# KiCad board mainboard.kicad_pcb (continued)
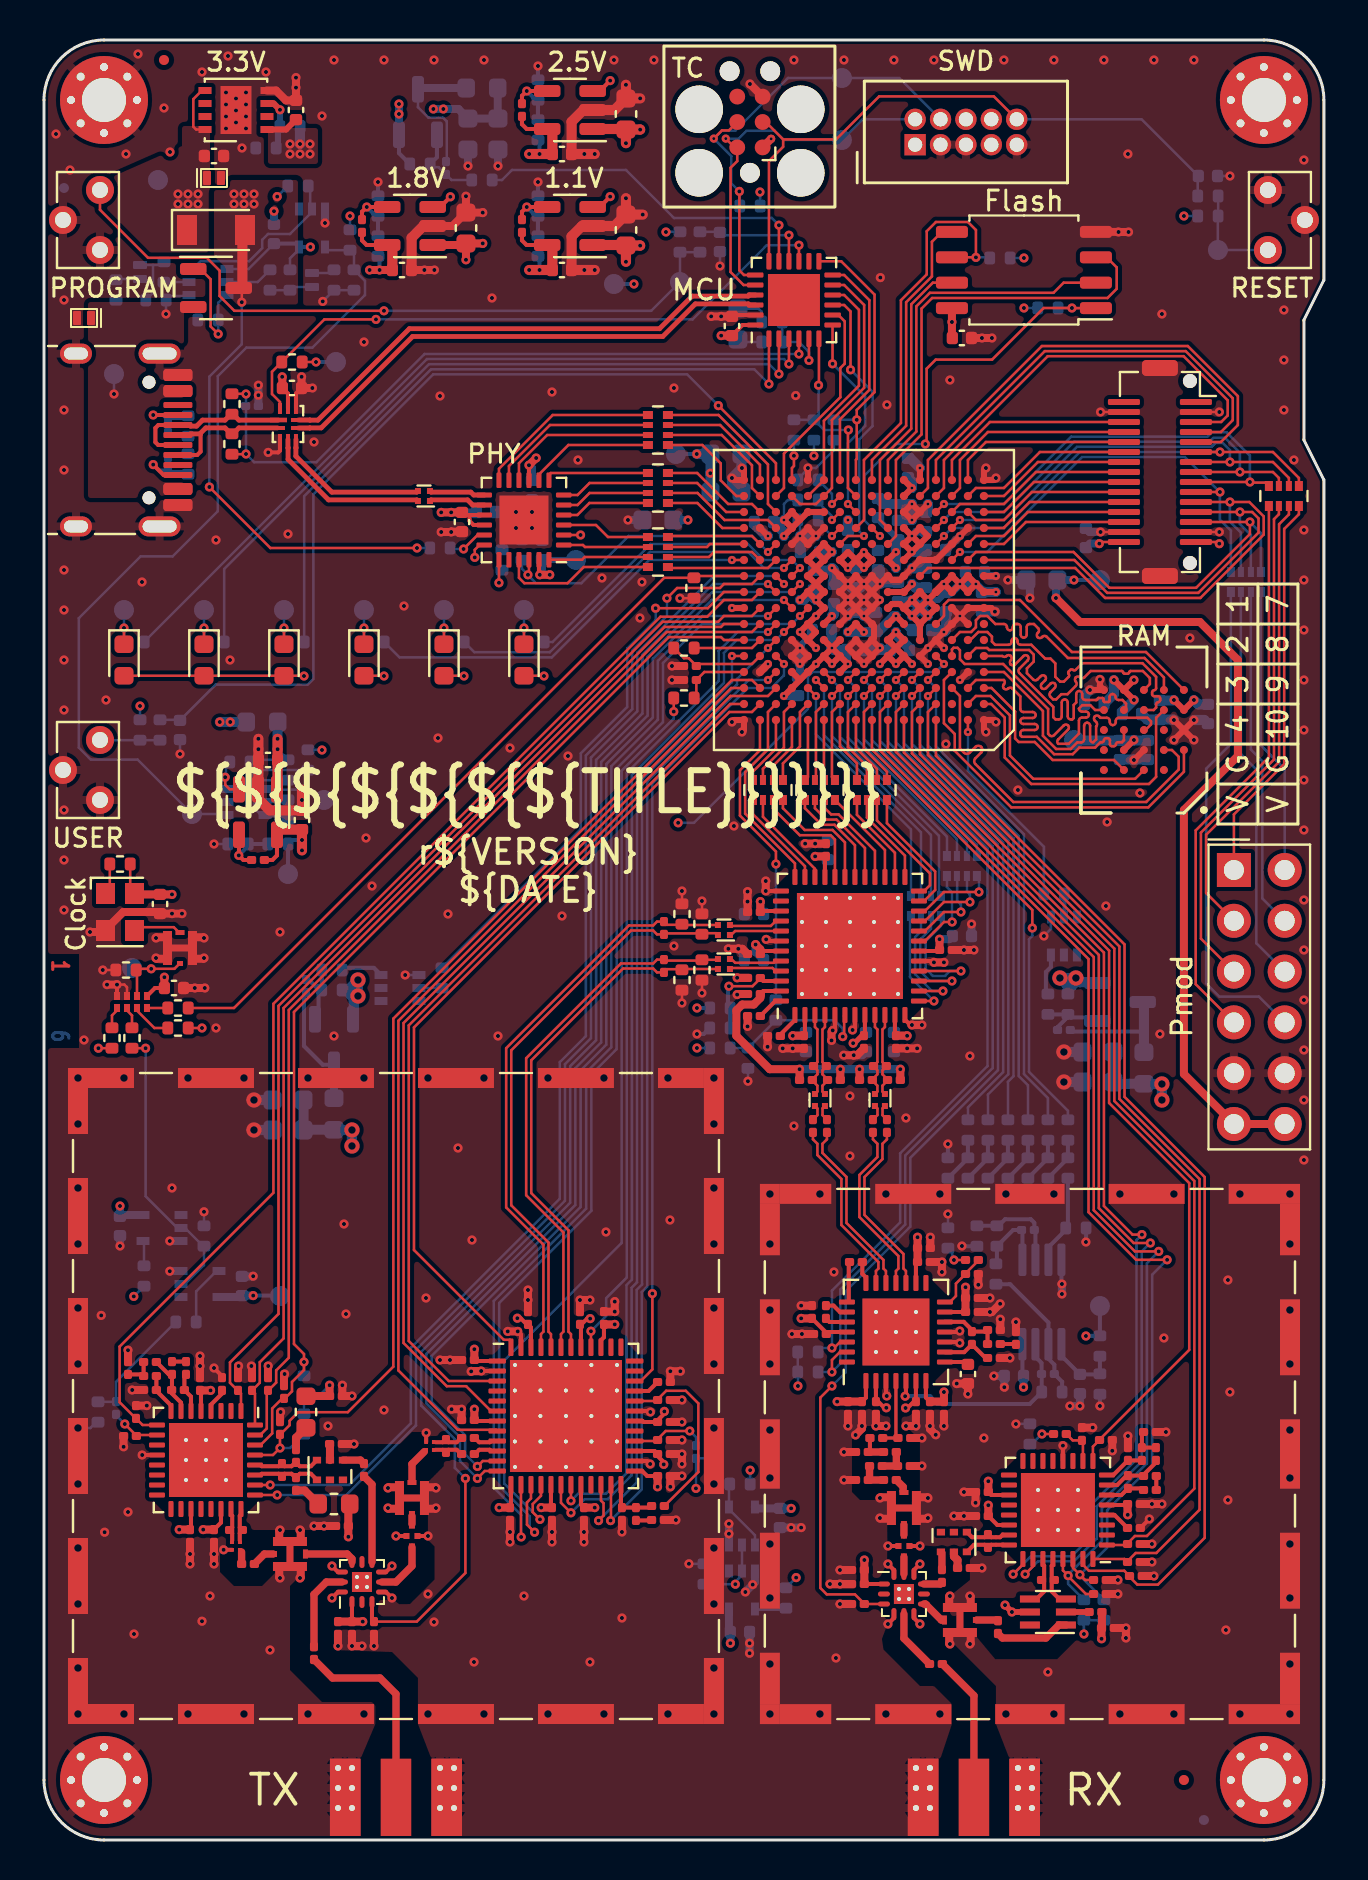
[diagram p0: board, top side]
## Routing (per net, layer and track width the routed paths; a pad name or vN(x,y) marks a point on that pad's centre or on a via; arc(x,y) is an arc through that point) (continued)
/FPGA Banks 2 and 3/TX_XCVR.SCLK: length 49.1
  Top w0.127: U1.E16 v2(34.4,59.2) ; U12.18 25.85,16.86 v1(26.35,16.36)
  Bottom w0.127: v1(26.35,16.36) 27.03,17.04 28.19,17.04 29.38,18.23 29.38,27.61 29.65,27.88 29.65,53.15 34.4,57.9 v2(34.4,59.2)
/FPGA Banks 2 and 3/TX_XCVR.~{CS}: length 58.6
  Top w0.127: U1.H12 v2(37.8,61.2) ; v1(24.53,15.39) 24.15,15.77 24.15,16.88 24.35,17.08 U12.15
  Bottom w0.127: v1(24.53,15.39) 24.28,15.64 24.28,16.19 22.76,17.71 22.76,26.85 27.37,31.46 27.37,38.28 28.63,39.54 28.63,53.57 30.95,55.89 30.95,58.85 32.9,60.8 37.4,60.8 v2(37.8,61.2)
/FPGA Banks 2 and 3/TX_XCVR.~{SHDN}: length 57.6
  Top w0.127: U12.12 22.04,18.45 v1(21.67,18.08) ; U1.J13 v2(37.8,62.8)
  Bottom w0.127: v2(37.8,62.8) U1.J13 33.42,62.4 30.18,59.16 30.18,56.22 27.86,53.9 27.86,39.88 26.57,38.59 26.57,31.75 19.12,24.3 19.12,21.82 20.8,20.14 20.8,18.95 v1(21.67,18.08)
/FPGA Banks 2 and 3/~{BTN_USER}: length 46.1
  Top w0.127: v1(33.72,71.72) 36.6,68.84 U1.T14
  Bottom w0.127: R23.1 6.77,56.01 C53.1 8.59,57.77 13.19,57.77 13.47,58.05 13.47,67.29 19.46,73.28 32.16,73.28 v1(33.72,71.72)
/FPGA Banks 2 and 3/~{TX_MIX_BYPASS}: length 66.1
  Top w0.127: C149.2 18.64,10.92 21.07,13.35 v1(21.07,18.08) ; U1.J14 v2(36.2,62.8)
  Top w0.203: U17.3 16.4,11.06
  Bottom w0.127: v2(36.2,62.8) 33.46,62.8 29.93,59.26 29.93,56.33 27.61,54.01 27.61,39.99 26.31,38.69 26.31,31.86 18.86,24.41 18.86,21.72 20.55,20.04 20.55,18.6 v1(21.07,18.08)
/FPGA Banks 6 and 7/RAM.CK: length 18.7
  Top w0.127: U8.B2 56.4,54.5 56.74,54.16 56.74,53.53 55.11,51.9 48.47,51.9 46.57,53.8 arc(46.51,53.94) 46.57,54.08 46.86,54.37 arc(46.92,54.51) 46.86,54.65 arc(46.72,54.71) 46.58,54.65 46.29,54.37 arc(46.15,54.31) 46,54.36 45.8,54.57 45.8,57.2 U1.C3
/FPGA Banks 6 and 7/RAM.DQ0: length 15.2
  Top w0.127: U1.F2 46.32,60 46.72,60.4 47.17,60.4 47.4,60.17 47.4,59.92 47.56,59.76 48.23,59.76 arc(48.34,59.8) 48.38,59.91 48.38,59.95 arc(48.42,60.06) 48.53,60.1 arc(48.64,60.06) 48.68,59.95 48.68,59.91 arc(48.72,59.8) 48.83,59.76 49.37,59.76 50.06,59.07 50.33,59.07 50.57,58.83 50.57,58.16 50.81,57.92 51,57.92 51.24,58.16 arc(51.27,58.23) 51.24,58.29 arc(51.21,58.36) 51.24,58.43 51.32,58.51 arc(51.39,58.53) 51.45,58.51 arc(51.52,58.48) 51.59,58.51 51.92,58.84 54.93,58.84 55.61,58.16 55.61,57.59 arc(55.58,57.52) 55.51,57.49 arc(55.44,57.46) 55.41,57.39 55.41,57.29 arc(55.44,57.22) 55.51,57.19 55.71,57.19 arc(55.78,57.16) 55.81,57.09 55.81,56.99 arc(55.78,56.92) 55.71,56.89 arc(55.64,56.86) 55.61,56.79 55.61,56.62 55.49,56.5 U8.D3
/FPGA Banks 6 and 7/RAM.DQ1: length 15.1
  Top w0.127: U1.B1 47.36,56.8 48.04,56.12 48.04,54.12 49.36,52.8 55.25,52.8 55.61,53.16 55.61,56.11 U8.D2
/FPGA Banks 6 and 7/RAM.DQ2: length 15.1
  Top w0.127: U8.C4 54,54.99 53.9,54.89 53.7,54.89 arc(53.63,54.86) 53.6,54.79 arc(53.57,54.72) 53.5,54.69 53.4,54.69 arc(53.33,54.72) 53.3,54.79 53.3,54.99 arc(53.27,55.06) 53.2,55.09 53.1,55.09 arc(53.03,55.06) 53,54.99 arc(52.97,54.92) 52.9,54.89 52.83,54.89 52.56,54.62 51.77,54.62 51.44,54.29 50.51,54.29 49.64,55.16 48.9,55.16 48.82,55.24 48.82,55.35 arc(48.86,55.46) 48.97,55.5 49.54,55.5 arc(49.65,55.54) 49.69,55.65 arc(49.65,55.76) 49.54,55.8 48.97,55.8 arc(48.86,55.84) 48.82,55.95 arc(48.86,56.06) 48.97,56.1 49.44,56.1 arc(49.55,56.14) 49.59,56.25 arc(49.55,56.36) 49.44,56.4 48.97,56.4 arc(48.86,56.44) 48.82,56.55 48.82,57.18 48.42,57.58 arc(48.32,57.62) 48.21,57.58 48.21,57.57 arc(48.1,57.53) 48,57.57 arc(47.95,57.68) 48,57.79 48,57.79 arc(48.04,57.89) 48,58 46.6,58 U1.C2
/FPGA Banks 6 and 7/RAM.DQ3: length 15
  Top w0.127: U8.D4 54.1,56.6 54.1,56.82 53.93,57 53.73,57 arc(53.62,57.04) 53.58,57.15 arc(53.54,57.26) 53.43,57.3 arc(53.32,57.26) 53.28,57.15 53.28,56.95 arc(53.27,56.91) 53.23,56.9 53.03,56.9 arc(53,56.91) 52.98,56.95 52.98,57.05 arc(52.97,57.09) 52.93,57.1 52.73,57.1 arc(52.7,57.09) 52.68,57.05 arc(52.67,57.01) 52.63,57 52.06,57 arc(51.96,57.04) 51.91,57.15 51.91,57.3 arc(51.87,57.41) 51.76,57.45 arc(51.66,57.41) 51.62,57.3 51.62,56.88 51.49,56.75 51.49,56.1 51.42,56.03 51.34,56.03 arc(51.23,56.07) 51.19,56.18 51.19,56.88 arc(51.15,56.99) 51.04,57.03 arc(50.93,56.99) 50.89,56.88 50.89,56.18 arc(50.85,56.07) 50.74,56.03 50.58,56.03 50.47,56.14 50.47,56.65 48.77,58.35 arc(48.72,58.46) 48.77,58.56 49.19,58.99 arc(49.23,59.09) 49.19,59.2 arc(49.08,59.24) 48.98,59.2 48.56,58.78 arc(48.45,58.73) 48.34,58.78 48.34,58.78 arc(48.3,58.88) 48.34,58.99 arc(48.39,59.09) 48.34,59.2 48.34,59.2 arc(48.24,59.24) 48.13,59.2 arc(48.03,59.16) 47.92,59.2 U1.E1
/FPGA Banks 6 and 7/RAM.DQ4: length 15.1
  Top w0.127: U1.E3 45.4,59.53 45.48,59.61 45.68,59.61 45.8,59.49 45.8,59.04 46.04,58.8 47.96,58.8 50.21,56.55 50.21,55.31 50.29,55.23 arc(50.39,55.19) 50.5,55.23 50.99,55.73 arc(51.1,55.77) 51.2,55.73 arc(51.25,55.62) 51.2,55.52 50.71,55.02 arc(50.67,54.92) 50.71,54.81 51.24,54.81 51.75,55.32 51.75,55.97 arc(51.79,56.08) 51.9,56.12 52.1,56.12 arc(52.21,56.16) 52.25,56.27 arc(52.21,56.38) 52.1,56.42 51.9,56.42 arc(51.79,56.46) 51.75,56.57 51.92,56.74 52.32,56.74 52.56,56.5 U8.D5
/FPGA Banks 6 and 7/RAM.DQ5: length 15.1
  Top w0.127: U1.E2 46.6,59.6 47.16,59.6 47.26,59.5 49.26,59.5 49.49,59.27 49.49,58.92 49.15,58.58 49.15,58.34 49.47,58.03 arc(49.57,57.98) 49.68,58.03 49.85,58.19 arc(49.95,58.24) 50.06,58.19 arc(50.1,58.09) 50.06,57.98 49.89,57.81 arc(49.85,57.71) 49.89,57.6 49.9,57.59 arc(50,57.55) 50.11,57.59 50.33,57.82 arc(50.44,57.86) 50.54,57.82 arc(50.59,57.71) 50.54,57.61 50.32,57.38 arc(50.28,57.28) 50.32,57.17 50.46,57.03 50.61,57.03 50.87,57.29 51.18,57.29 51.6,57.7 arc(51.64,57.81) 51.6,57.92 arc(51.55,58.02) 51.6,58.13 arc(51.7,58.17) 51.81,58.13 arc(51.91,58.09) 52.02,58.13 52.34,58.45 53.89,58.45 arc(53.94,58.43) 53.96,58.38 arc(53.98,58.33) 54.03,58.32 54.19,58.32 arc(54.24,58.33) 54.26,58.38 arc(54.28,58.43) 54.33,58.45 54.94,58.45 55.3,58.1 55.3,57.8 U8.E3
/FPGA Banks 6 and 7/RAM.DQ6: length 15.1
  Top w0.127: U1.F3 45.8,60.4 46.36,60.4 46.6,60.64 46.6,60.99 46.81,61.2 47.17,61.2 47.57,60.8 48,60.8 arc(48.11,60.76) 48.15,60.65 48.15,60.63 arc(48.19,60.53) 48.3,60.48 arc(48.41,60.53) 48.45,60.63 48.45,60.65 arc(48.49,60.76) 48.6,60.8 48.69,60.8 arc(48.8,60.76) 48.84,60.65 48.84,60.27 arc(48.88,60.16) 48.99,60.12 arc(49.1,60.16) 49.14,60.27 49.14,60.65 arc(49.18,60.76) 49.29,60.8 49.5,60.8 49.71,60.59 arc(49.76,60.48) 49.71,60.38 49.69,60.35 arc(49.64,60.25) 49.69,60.14 arc(49.79,60.1) 49.9,60.14 49.92,60.16 arc(50.03,60.21) 50.14,60.16 51.2,59.1 55.03,59.1 56,58.13 U8.E2
/FPGA Banks 6 and 7/RAM.DQ7: length 15.1
  Top w0.127: U1.G4 45,61.2 45,61.76 45.24,62 48.8,62 51.4,59.4 55.1,59.4 U8.E1
/FPGA Banks 6 and 7/RAM.RWDS: length 15.1
  Top w0.127: U1.D1 48,58.4 49.95,56.45 49.95,55.21 50.61,54.55 51.34,54.55 51.67,54.88 51.86,54.88 arc(51.97,54.92) 52.01,55.03 52.01,55.71 arc(52.05,55.82) 52.16,55.86 arc(52.27,55.82) 52.31,55.71 52.31,55.03 arc(52.35,54.92) 52.46,54.88 52.61,55.03 52.61,55.68 52.62,55.69 arc(52.66,55.79) 52.62,55.9 52.55,55.97 arc(52.5,56.07) 52.55,56.18 arc(52.65,56.22) 52.76,56.18 52.83,56.11 53.14,56.11 arc(53.25,56.07) 53.29,55.96 53.29,55.89 arc(53.34,55.79) 53.44,55.74 arc(53.55,55.79) 53.59,55.89 53.59,55.96 arc(53.64,56.07) 53.74,56.11 55.18,56.11 55.35,55.93 55.35,55.77 55.08,55.5 U8.C3
/FPGA Banks 6 and 7/RAM.~{CK}: length 18.8
  Top w0.127: U1.D3 45,58 45,55.84 45.54,55.3 45.54,54.46 48.37,51.63 55.22,51.63 57,53.41 U8.B1
/FPGA Banks 6 and 7/RAM.~{CS}: length 12
  Top w0.127: U8.A3 54.56,53.06 49.47,53.06 48.3,54.23 48.3,56.23 47.33,57.2 46.6,57.2 U1.B2
/FPGA Banks 6 and 7/RAM.~{RESET}: length 9.5
  Top w0.127: U8.A4 53.5,54 50.44,54 49.54,54.9 48.74,54.9 48.56,55.08 48.56,56.42 47.38,57.6 U1.C1
/Radio/COM: length 15.1
  Top w0.203: U11.47 35.97,42.45 C71.1
  Top w0.4: R112.2 v1(39.82,38.54) ; R56.2 v1(42.82,38.54) ; R57.2 v1(40.78,38.54) ; R113.2 v1(37.78,38.54) 36.29,38.54 34.62,40.21 34.62,41.48 34.91,41.77 35.49,41.77 35.82,42.1 C71.1
  Bottom w0.4: v1(37.78,38.54) v1(39.82,38.54) v1(40.78,38.54) v1(42.82,38.54)
/Radio/IA+: length 4.4
  Top w0.127: FL5.3 38.67,37.42 38.67,37.72 38.42,37.97 R113.1 38.42,38.03 38.67,38.28 38.67,38.48 38.48,38.67 C64.1 38.67,38.89 38.67,40.53 38.55,40.65 U11.3
/Radio/IA-: length 4.4
  Top w0.127: FL5.1 38.93,37.42 38.93,37.72 39.18,37.97 R112.1 39.18,38.03 38.93,38.28 38.93,38.48 39.12,38.67 C64.2 38.93,38.89 38.93,40.53 39.05,40.65 U11.4
/Radio/ID+: length 2.6
  Top w0.127: U11.45 36.58,43.45 36.42,43.6 34.35,43.6 FL6.1
/Radio/ID-: length 2.7
  Top w0.127: U11.44 36.58,43.95 36.48,43.86 34.56,43.86 34.37,44.05 FL6.3
/Radio/QA+: length 4.4
  Top w0.127: U11.10 42.05,40.65 41.93,40.53 41.93,38.89 C65.2 42.12,38.67 41.93,38.48 41.93,38.28 42.18,38.03 R56.1 42.18,37.97 41.93,37.72 41.93,37.42 FL4.1
/Radio/QA-: length 4.4
  Top w0.127: U11.9 41.55,40.65 41.67,40.53 41.67,38.89 C65.1 41.48,38.67 41.67,38.48 41.67,38.28 41.42,38.03 R57.1 41.42,37.97 41.67,37.72 41.67,37.42 FL4.3
/Radio/QD+: length 2.7
  Top w0.127: U11.40 36.59,45.95 36.34,45.7 34.35,45.7 FL7.3
/Radio/QD-: length 2.6
  Top w0.127: FL7.1 34.36,45.25 34.56,45.45 U11.41
/Radio/Receive Path/CPOUT: length 3.1
  Top w0.203: U14.12 45.06,25.91 45.99,25.91 46.4,25.5 R63.2 47.1,25.42 C97.2 R62.2
/Radio/Receive Path/REF_IN: length 2.9
  Top w0.127: U14.14 45.3,26.9 45.6,27.2 45.6,27.82 C95.1 46.08,28.33 46.72,28.97 C94.1
/Radio/Receive Path/RX Gain DAC/DAC_OUT: length 10.5
  Top w0.203: U14.5 43.1,22.23 v1(43.06,22.19)
  Bottom w0.203: U15.7 49.57,24.16 49.88,23.85 C107.1 49.89,23.29 R79.1 49.29,21.8 44.7,21.8 44.31,22.19 v1(43.06,22.19)
/Radio/Receive Path/RX Mixer/LFILT1: length 2
  Top w0.203: R85.1 54.9,17.58 C126.2 53.87,17.25 U18.6
/Radio/Receive Path/RX Mixer/LFILT2: length 3.1
  Top w0.203: U18.7 53.66,17.75 54.13,18.22 C126.1 54.96,18.22 C127.1 54.98,18.26 55.6,18.88 R84.2
/Radio/Receive Path/RX Mixer/LFILT3: length 2.1
  Top w0.203: U18.8 53.47,18.25 C122.1 R83.1
/Radio/Receive Path/RX Mixer/MIX_IN+: length 2.3
  Top w0.203: 47.94,15.27 47.81,15.14 47.36,15.14 47.23,15.27 L6.2 47.17,15.27 47.04,15.14 46.41,15.14 T1.4 ; U18.23 48.06,15.25
/Radio/Receive Path/RX Mixer/MIX_IN-: length 2.1
  Top w0.203: T1.3 46.51,14.76 47.04,14.76 47.17,14.63 L6.1 47.23,14.63 47.36,14.76 47.97,14.76
/Radio/Receive Path/RX Mixer/MIX_OUT+: length 2.5
  Top w0.203: T2.3 50.77,12.05 50.39,12.43 50.39,13.71 50.45,13.78 U18.28
/Radio/Receive Path/RX Mixer/MIX_OUT-: length 2.5
  Top w0.203: T2.4 49.63,12.05 50.01,12.43 50.01,13.71 49.95,13.78 U18.27
/Radio/Receive Path/RX Mixer/REF_IN: length 2
  Top w0.127: U18.10 51.95,19.93 C123.1 51.44,19.98 C124.1
/Radio/Receive Path/RX Mixer/REXT: length 1.3
  Top w0.203: U18.4 53.53,16.25 R82.1
/Radio/Receive Path/RX_MIX_IN: length 0.9
  Top w0.366: U16.9 44.82,12.8 C129.1
/Radio/Receive Path/RX_MIX_OUT: length 1.3
  Top w0.366: U16.7 44.07,11.8 44.87,11 44.92,11
/Radio/Receive Path/RX_RCVR_IN: length 3.6
  Top w0.165: U14.4 42.6,20.14 ; C108.1 L2.1
/Radio/Receive Path/RX_RF: length 3
  Top w0.366: U16.5 43,10.08 C154.1
/Radio/Receive Path/RXBB.I+: length 8.9
  Top w0.127: U14.19 42.1,28.45 41.98,28.57 41.98,29 40.13,30.85 40.13,33.15 38.93,34.35 38.93,34.81 39.15,35.03 C102.2
/Radio/Receive Path/RXBB.I-: length 8.9
  Top w0.127: U14.20 41.6,28.45 41.72,28.57 41.72,28.9 39.87,30.75 39.87,33.05 38.67,34.25 38.67,34.81 38.45,35.03 C103.2
/Radio/Receive Path/RXBB.Q+: length 8.9
  Top w0.127: U14.17 43.1,28.45 42.98,28.57 42.98,29.3 41.03,31.25 41.03,33.15 41.93,34.05 41.93,34.81 42.15,35.03 C100.2
/Radio/Receive Path/RXBB.Q-: length 8.9
  Top w0.127: C101.2 41.45,35.03 41.67,34.81 41.67,34.15 40.77,33.25 40.77,31.15 42.72,29.2 42.72,28.57 42.6,28.45 U14.18
/Radio/Receive Path/VTUNE: length 2.6
  Top w0.203: C99.2 47.08,24.1 R63.1 46.01,24.39 45.06,24.39 U14.9
/Radio/REFN: length 1.3
  Top w0.203: U11.48 36.57,41.95 C72.1
/Radio/REFP: length 1.4
  Top w0.203: U11.1 37.55,41 36.82,40.27 C68.2
/Radio/Transmit Path/CPOUT: length 2.7
  Top w0.203: R59.2 30.3,16.62 R58.2 C88.2 28.85,16.67 U12.24
/Radio/Transmit Path/REF_IN: length 3.8
  Top w0.127: v1(32.29,20.45) 31.09,20.45 30.68,20.04 C87.1 30.63,19.95 U12.28
  Bottom w0.127: C86.2 32.6,20.14 v1(32.29,20.45)
/Radio/Transmit Path/TUNE: length 9.6
  Top w0.127: C90.2 30.68,21.99 ; C90.2 30.68,22.03 31.11,22.46 32.09,22.46 32.72,21.83 32.72,18.4 R59.1 ; C90.2 30.63,22.05 ; C90.2 30.68,22.04 ; U12.32 30.63,21.95
/Radio/Transmit Path/TX Mixer/LFILT1: length 2
  Top w0.203: R91.1 7.02,23.2 C146.2 7.35,22.17 U13.6
/Radio/Transmit Path/TX Mixer/LFILT2: length 3.1
  Top w0.203: U13.7 6.85,21.87 6.38,22.34 C146.1 6.4,22.52 C147.1 6.24,23.28 R90.2
/Radio/Transmit Path/TX Mixer/LFILT3: length 2.1
  Top w0.203: U13.8 6.35,21.73 5.62,22.46 C143.1 R89.1
/Radio/Transmit Path/TX Mixer/MIX_IN+: length 1.7
  Top w0.203: 9.41,14.98 9.41,15.34 9.28,15.47 L10.2 9.41,15.63 9.41,16.21 9.35,16.28 U13.23
/Radio/Transmit Path/TX Mixer/MIX_IN-: length 1.7
  Top w0.203: 9.79,14.98 9.79,15.34 9.92,15.47 L10.1 9.79,15.63 9.79,16.21 9.85,16.28 U13.24
/Radio/Transmit Path/TX Mixer/MIX_OUT+: length 3.5
  Top w0.203: T5.3 13.34,18.69 12.79,18.69 L13.2 12.57,18.88 12.38,18.69 12.03,18.69 L9.1 11.87,18.82 11.74,18.69 10.89,18.69 10.83,18.75 U13.28
/Radio/Transmit Path/TX Mixer/MIX_OUT-: length 3.5
  Top w0.203: U13.27 10.83,18.25 10.89,18.31 11.74,18.31 11.87,18.18 L9.2 12.03,18.31 12.38,18.31 12.57,18.12 L11.2 12.79,18.31 13.34,18.31 T5.4
/Radio/Transmit Path/TX Mixer/REF_IN: length 2.6
  Top w0.127: U13.10 4.67,20.25 C142.1 4.62,20.22 v1(4.04,20.8)
  Bottom w0.127: v1(4.04,20.8) 3.6,21.24 C144.1
/Radio/Transmit Path/TX Mixer/REXT: length 1.3
  Top w0.203: U13.4 8.35,21.77 8.9,22.32 R88.1
/Radio/Transmit Path/TX_MIX_IN: length 2.5
  Top w0.366: 13.14,14.3 15.16,14.3 15.4,14.06 U17.9
/Radio/Transmit Path/TX_MIX_OUT: length 4.4
  Top w0.366: C132.1 16.4,17.78 U17.7
/Radio/Transmit Path/TX_RF: length 4.3
  Top w0.366: U17.11 14.12,12.9 13.5,12.28 C153.1
/Radio/Transmit Path/TXBB.I+: length 29.1
  Top w0.127: FL7.4 31.94,45.75 R53.1 31.87,45.76 31.16,45.76 C60.2 30.65,45.92 30.46,45.73 29.25,45.73 23.11,39.59 23.11,31.63 24.97,29.77 24.97,25.42 24.85,25.29 U12.45
/Radio/Transmit Path/TXBB.I-: length 28.7
  Top w0.127: FL7.2 33.61,45.34 32.95,45.34 R52.1 32.86,45.33 31.05,45.33 C60.1 30.65,45.28 30.46,45.47 29.35,45.47 23.36,39.48 23.36,31.74 25.23,29.87 25.23,25.42 25.35,25.29 U12.44
/Radio/Transmit Path/TXBB.Q+: length 27
  Top w0.127: FL6.4 33.66,44.01 R51.1 32.86,43.97 31.05,43.97 C61.2 30.65,44.02 30.46,43.83 28.85,43.83 24.11,39.09 24.11,32.24 25.97,30.38 25.97,25.42 25.85,25.29 U12.43
/Radio/Transmit Path/TXBB.Q-: length 26.6
  Top w0.127: U12.42 26.35,25.29 26.23,25.42 26.23,30.48 24.36,32.35 24.36,38.98 28.95,43.57 30.46,43.57 30.65,43.38 C61.1 31.16,43.54 31.87,43.54 R50.1 31.94,43.55 FL6.2
/Radio/Transmit Path/TXIF+: length 1.3
  Top w0.203: C85.1 21.55,20.1 21.76,19.89 22.29,19.89 22.35,19.95 U12.9
/Radio/Transmit Path/TXIF-: length 1.3
  Top w0.203: U12.10 22.35,19.45 22.29,19.51 21.76,19.51 21.55,19.3 C84.1
/Radio/Transmit Path/TXIF_BALUN+: length 1.5
  Top w0.203: 19.58,19.89 19.94,19.89 20.07,20.02 L1.2 20.23,19.89 20.64,19.89 20.85,20.1 C85.2
/Radio/Transmit Path/TXIF_BALUN-: length 1.5
  Top w0.203: C84.2 20.85,19.3 20.64,19.51 20.23,19.51 L1.1 20.07,19.38 19.94,19.51 19.58,19.51
/USB/CC1: length 2.9
  Top w0.203: J1.A5 v1(5.46,71.25)
  Bottom w0.203: v1(5.46,71.25) 5.97,71.25 C6.1 6.28,71.1 7,71.1
/USB/CC2: length 3.2
  Top w0.203: v1(5.46,68.77) 5.98,68.25 J1.B5
  Bottom w0.203: v1(5.46,68.77) 5.75,68.48 C7.1 6.28,68.4 7.1,68.4
/USB/CLK: length 7.8
  Top w0.127: U9.21 23.75,63.11 24.02,62.84 26.18,62.84 26.99,63.65 RN3.8
/USB/D+: length 7.5
  Top w0.203: 7.79,70.31 7.83,70.27 7.83,69.42 7.66,69.25 J1.B6
  Top w0.24: J1.A6 7.27,70.25 7.33,70.31 7.79,70.31 8.09,70.61 9.06,70.61 9.35,70.31 R8.2 9.45,70.31 9.75,70.61 11.67,70.61
/USB/D-: length 8.5
  Top w0.203: J1.B7 5.72,70.75 5.57,70.6 5.57,69.89 5.71,69.75 J1.A7
  Top w0.24: 11.72,71 9.75,71 9.45,71.29 R7.1 9.35,71.29 9.06,71 7.93,71 7.63,70.69 7.33,70.69 7.27,70.75 J1.B7
/USB/DATA0: length 4.5
  Top w0.127: U9.4 26.67,66.25 27.27,66.85 RN1.8
/USB/DATA1: length 4.5
  Top w0.127: U9.5 26.68,66.75 27.28,67.35 RN1.7
/USB/DATA2: length 4.5
  Top w0.127: U9.6 26.68,67.25 27.28,67.85 RN1.6
/USB/DATA3: length 5.3
  Top w0.127: RN1.5 25.34,68.35 25.25,68.26 U9.7
/USB/DATA4: length 6.4
  Top w0.127: RN2.8 26.22,69.75 24.75,68.28 U9.8
/USB/DATA5: length 7.9
  Top w0.127: U9.10 23.75,68.84 25.16,70.25 RN2.7
/USB/DATA6: length 8.5
  Top w0.127: RN2.6 25.3,70.75 23.25,68.7 U9.11
/USB/DATA7: length 9.1
  Top w0.127: U9.12 22.75,68.56 25.44,71.25 RN2.5
/USB/DIR: length 4.3
  Top w0.127: RN3.6 27.05,64.65 26.95,64.75 U9.1
/USB/FPGA_D+: length 8.4
  Top w0.24: FL1.2 18.64,67 14.23,67 12.2,69.03 12.2,69.61 12.2,69.61 U3.4
/USB/FPGA_D-: length 7.7
  Top w0.24: U3.5 12.6,69.61 12.59,69.61 12.59,69.19 14.39,67.39 18.64,67.39 FL1.4
/USB/NXT: length 4.5
  Top w0.127: RN3.5 28.2,65.15 27.6,65.75 U9.3
/USB/PHY_D+: length 2.8
  Top w0.24: U9.14 21.43,66.75 21.18,67 19.36,67 FL1.1
/USB/PHY_D-: length 2.8
  Top w0.24: U9.13 21.49,67.25 21.34,67.39 19.36,67.39 FL1.3
/USB/RBIAS: length 1.8
  Top w0.127: U9.19 v1(22.75,62.86)
  Bottom w0.127: v1(22.75,62.86) 22.75,63.34 R20.2
/USB/STP: length 5
  Top w0.127: RN3.7 27.04,64.15 26.9,64.01 U9.24
Net-(C89-Pad2): length 0.8
  Top w0.203: C89.2 30.36,15.98 R58.1
Net-(C98-Pad2): length 0.8
  Top w0.203: R62.1 48.58,24.8 C98.2
Net-(C100-Pad1): length 0.8
  Top w0.127: FL4.2 41.93,36.58 41.93,36.24 C100.1
Net-(C101-Pad1): length 0.8
  Top w0.127: FL4.4 41.68,36.57 41.68,36.25 C101.1
Net-(C102-Pad1): length 0.8
  Top w0.127: FL5.2 38.93,36.58 38.93,36.24 C102.1
Net-(C103-Pad1): length 0.8
  Top w0.127: C103.1 38.68,36.25 38.68,36.57 FL5.4
Net-(C105-Pad1): length 4
  Bottom w0.203: R76.2 47.65,28.86 R75.1 48.46,30.5 C105.1 48.93,30.45 U15.1
Net-(C108-Pad2): length 1.4
  Top w0.203: C108.2 41.3,19.48
  Top w0.366: C109.1 L3.1
Net-(C109-Pad2): length 1.5
  Top w0.366: C110.1 L4.1 42.62,18.76 C109.2
Net-(C110-Pad2): length 1.5
  Top w0.366: C111.1 L5.1 41.28,18.06 C110.2
Net-(C125-Pad1): length 1.5
  Top w0.203: R84.1 R83.2 54.9,20.32 C125.1
Net-(C127-Pad2): length 0.7
  Top w0.203: R85.2 C127.2
Net-(C129-Pad2): length 0.8
  Top w0.366: C129.2 44.9,14.35
Net-(C131-Pad2): length 3.8
  Top w0.366: 47.7,10.32 47.93,10.1 50.1,10.1 50.75,10.75 T2.1
Net-(C132-Pad2): length 1.1
  Top w0.366: C132.2 15.83,19 T5.1
Net-(C145-Pad1): length 1.5
  Top w0.203: C145.1 4.9,23.28 R89.2 R90.1
Net-(C147-Pad2): length 0.7
  Top w0.203: R91.2 C147.2
Net-(C148-Pad2): length 0.6
  Top w0.366: C148.2 9.88,14.4
Net-(D1-K): length 2.4
  Top w0.127: D1.1 v1(4,60.6)
  Bottom w0.127: TP14.1 v1(4,60.6) 4,59.91 R24.1
Net-(D2-K): length 2.4
  Top w0.127: D2.1 v1(8,60.6)
  Bottom w0.127: R25.1 8,59.91 v1(8,60.6) TP15.1
Net-(D3-K): length 2.4
  Top w0.127: D3.1 v1(12,60.6)
  Bottom w0.127: R26.1 12,59.91 v1(12,60.6) TP16.1
Net-(D4-K): length 2.4
  Top w0.127: D4.1 v1(16,60.6)
  Bottom w0.127: TP17.1 v1(16,60.6) 16,59.91 R27.1
Net-(D5-K): length 2.4
  Top w0.127: D5.1 v1(20,60.6)
  Bottom w0.127: TP18.1 v1(20,60.6) 20,59.91 R28.1
Net-(D6-K): length 2.4
  Top w0.127: D6.1 v1(24,60.6)
  Bottom w0.127: R29.1 24,59.91 v1(24,60.6) TP19.1
Net-(D10-A): length 1.2
  Bottom w0.127: R15.1 3.64,78.05 D10.2
Net-(D10-K): length 3.2
  Bottom w0.127: R13.2 5.84,78.75 5.45,78.75 ; 5.45,78.75 5.45,77.36 R11.2 ; 5.45,78.75 D10.1
Net-(D11-A): length 1.2
  Bottom w0.127: R93.1 14.34,78.35 D11.2
Net-(D11-K): length 2.2
  Bottom w0.127: D11.1 12.46,77.65 R92.2 R94.2
Net-(FL2-IN): length 0.4
  Top w0.366: 18.4,15.8 18.4,16.2
Net-(FL2-OUT): length 2.8
  Top w0.366: 18.4,14.64 18.4,13.7 17.6,12.9 U17.5
Net-(FL3-IN): length 0.8
  Top w0.366: U16.11 43,14.14
Net-(FL3-OUT): length 0.5
  Top w0.366: 43,15.76 43,15.26
Net-(J5-R): length 1.1
  Top w0.366: 46.64,11 47.66,11 C131.1
Net-(J7-In): length 7.3
  Top w0.366: C154.2 46.5,7.22 J7.1
Net-(J8-In): length 10
  Top w0.366: C153.2 14.42,8.1 16.8,8.1 17.6,7.3 J8.1
Net-(J9-C): length 0.7
  Top w0.366: 42.96,17.44 42.96,17.66 C111.2
Net-(J10-R): length 1.1
  Top w0.366: C148.1 11.02,14.3 11.46,14.3
Net-(J11-C): length 1.7
  Top w0.366: 18.4,17.94 18.4,18.8 19.02,19.42
Net-(J12-C): length 2.5
  Top w0.127: Y1.3 4.69,45.64 6.49,45.64 6.75,45.38 J12.1
Net-(J12-R): length 4.6
  Top w0.127: J12.2 6.78,43.83 6.52,43.56 v1(5.36,43.56) 4.67,43.56 R115.1 4.65,43.46 U21.2
  Bottom w0.127: TP34.1 4.44,43.56 v1(5.36,43.56)
Net-(L8-Pad2): length 1.2
  Top w0.293: T2.2 L8.2
Net-(L11-Pad1): length 1.4
  Top w0.4: L11.1 13.03,17.48 L12.2
Net-(L13-Pad1): length 1.3
  Top w0.4: L14.2 12.6,20.11 L13.1
Net-(Q1-G): length 6.1
  Top w0.127: Q1.1 7.82,78.55 8.33,78.04 8.33,75.68 v1(8.71,75.3)
  Bottom w0.127: v1(8.71,75.3) R14.1 8.71,76.86 9.1,77.25 Q2.6
Net-(Q2A-B1): length 1.3
  Bottom w0.127: Q2.2 6.01,77.9 R13.1
Net-(Q2B-B2): length 2.4
  Bottom w0.127: Q2.5 10.69,77.9 R94.1
Net-(Q2B-C2): length 9
  Bottom w0.127: R95.1 13.31,82.6 13.31,81.64 U19.2 13.4,81.4 12.3,80.3 11.2,80.3 10.91,80.01 10.91,79.59 10.26,78.94 7.83,78.94 7.44,78.55 Q2.3
Net-(Q3-D): length 6.3
  Bottom w0.203: Q3.3 13.94,38.76 13,39.7 13,42.28 C150.2
  Bottom w0.4: Q3.3 FB1.1
Net-(Q3-G): length 3.6
  Bottom w0.203: Q3.1 13.73,41.22 13.73,42.34 R98.2 ; R98.2 13.75,42.5 13.23,43.02 C150.1 ; R98.2 R100.1
Net-(Q4A-B1): length 1.2
  Bottom w0.127: Q4.2 19.89,42.6 R99.1
Net-(Q4A-C1): length 2.1
  Bottom w0.203: Q4.6 16.49,43.61 15.02,43.61 R100.2
Net-(Q5-D): length 6.3
  Bottom w0.203: 55,40.42 51.4,40.42 C155.2
  Bottom w0.508: FB2.1 55,41.84 Q5.3
Net-(Q5-G): length 3.6
  Bottom w0.203: R102.1 R12.2 ; R12.2 51.2,41.16 50.68,40.64 C155.1 ; R12.2 51.35,41.13 52.48,41.13 Q5.1
Net-(Q6A-B1): length 4.9
  Bottom w0.127: Q6.2 9.35,51.9 9.8,52.35 9.8,52.6 10.7,53.5 13.19,53.5 R126.1
Net-(Q6A-C1): length 4.9
  Bottom w0.127: R108.2 10.69,52.99 10.5,52.8 10.5,51.6 10.85,51.25 Q6.6 11.12,51.18 12.01,51.18 R107.2
Net-(Q6B-B2): length 1.2
  Bottom w0.127: Q6.5 12.09,51.9 R107.1
Net-(Q6B-C2): length 2.6
  Top w0.127: v1(9.06,53.14) 9.06,52.76 9.28,52.54 U24.3
  Bottom w0.127: R118.2 9.1,53.71 9.1,53.18 v1(9.06,53.14) 9.06,52.64 Q6.3
Net-(Q7A-B1): length 1.2
  Bottom w0.203: Q7.2 51.02,46.17 R101.1
Net-(Q7A-C1): length 2.1
  Bottom w0.203: R102.2 50.1,42.4 50.1,43.4 50.35,43.65 Q7.6
Net-(Q8-D): length 7.1
  Bottom w0.127: C197.2 20.14,83.96 20.14,85.93 19.95,86.12 19.22,86.12 18.7,86.64 Q8.3
  Bottom w0.4: Q8.3 18.76,87.6 FB4.1
Net-(Q8-G): length 3.8
  Bottom w0.127: C197.1 20.38,83 R116.1 ; C197.1 20.1,83.28 ; C197.1 20.09,83.28 19.73,83.64 19.43,83.64
  Bottom w0.203: R114.2 19.65,84.14 Q8.1
Net-(R3-Pad2): length 5.2
  Bottom w0.127: SW2.1 TP1.1 58.7,81.19 R3.2 R4.1
Net-(R22-Pad2): length 3
  Bottom w0.127: R23.2 R22.2 2.81,54.99 SW3.1
Net-(R32-Pad2): length 35.9
  Top w0.127: SW1.1 2.8,81.51 5.2,79.11 8.14,79.11 8.78,78.47 8.78,77.2 9.52,76.46 v1(17,76.46)
  Bottom w0.127: v1(17,76.46) 30.36,76.46 TP20.1 R32.2 R33.2
Net-(R34-Pad1): length 1.3
  Bottom w0.127: U22.4 5,29.9 R34.1
Net-(R35-Pad1): length 3.1
  Bottom w0.127: U25.4 8.63,28.45 7.61,27.43 R35.1
Net-(R46-Pad2): length 2.3
  Bottom w0.203: R46.2 R48.1 46.2,34.09 R47.1
Net-(R48-Pad2): length 2.3
  Bottom w0.203: R48.2 47.2,34.09 R64.1 R49.2
Net-(R64-Pad2): length 2.3
  Bottom w0.203: R64.2 48.2,34.09 R66.1 R65.2
Net-(R66-Pad2): length 2.3
  Bottom w0.203: R66.2 49.2,34.09 R68.1 R67.2
Net-(R68-Pad2): length 2.3
  Bottom w0.203: R69.2 R70.1 50.2,34.09 R68.2
Net-(R70-Pad2): length 2.3
  Bottom w0.203: R70.2 51.2,34.09 R72.1 R71.2
Net-(R106-Pad1): length 1.6
  Bottom w0.127: 35.58,11.58 U23.4 35.58,11.52 37.03,11.52 R106.1
Net-(RN6-R1.2): length 5.5
  Top w0.127: U11.13 v1(44.5,41.95)
  Bottom w0.127: RN6.8 43.3,46.15 43.3,43.15 v1(44.5,41.95)
Net-(RN6-R2.2): length 6
  Top w0.127: U11.14 v1(44.95,42.45)
  Bottom w0.127: v1(44.95,42.45) 44.4,42.45 43.56,43.29 43.56,45.15 43.85,45.44 RN6.7
Net-(RN6-R3.2): length 6.4
  Top w0.127: U11.15 v1(45.4,42.95)
  Bottom w0.127: v1(45.4,42.95) 44.3,42.95 43.82,43.43 43.82,45.04 44.35,45.57 RN6.6
Net-(RN6-R4.2): length 7.1
  Top w0.127: U11.16 v1(45.85,43.45)
  Bottom w0.127: v1(45.85,43.45) 45.3,43.45 45.05,43.2 44.45,43.2 44.08,43.57 44.08,44.94 44.85,45.71 RN6.5
Net-(RN7-R1.2): length 4.5
  Top w0.127: v1(45.41,45.9) 45,45.9 44.05,44.95 U11.19
  Bottom w0.127: RN7.8 45.15,47.64 45.4,47.39 45.4,45.91 v1(45.41,45.9)
Net-(RN7-R2.2): length 4.4
  Top w0.127: v1(45.85,46.4) 45,46.4 44.05,45.45 U11.20
  Bottom w0.127: RN7.7 45.66,48.19 45.66,46.96 45.85,46.77 v1(45.85,46.4)
Net-(RN7-R3.2): length 4.3
  Top w0.127: U11.21 44.05,45.95 45,46.9 v1(46.3,46.9)
  Bottom w0.127: RN7.6 46.15,47.43 46.3,47.28 v1(46.3,46.9)
Net-(RN7-R4.2): length 4.2
  Top w0.127: v1(46.75,47.4) 45,47.4 44.05,46.45 U11.22
  Bottom w0.127: RN7.5 46.75,48.1 v1(46.75,47.4)
Net-(RN8-R1.2): length 6.5
  Top w0.127: RN8.8 42.15,50.84 44.56,48.43 44.56,47.5 44.01,46.95 U11.23
Net-(RN8-R2.2): length 6
  Top w0.127: U11.24 44.01,47.45 44.3,47.74 44.3,48.33 41.65,50.98 RN8.7
Net-(RN8-R3.2): length 4.6
  Top w0.127: U11.25 43.05,49.22 41.15,51.12 RN8.6
